# Altium PCB HIVE_BOARD_PCB ASCII REV Project_PCB_Rev.Project_SCH_Rev.PcbDoc (part 4 of 9)
Units mil, origin at the board's own origin, x right, y up, seen from the top; angles counter-clockwise.
Board outline 4330.71 x 4330.71 mil, 8 copper layers (Top, GND_1, Signal_1, GND_2, PWR, Signal_2, GND_3, Bottom), stack 62.994 mil thick; 660 components, 468 nets, 2497 pads, 1806 vias.
Unrouted connection lines stored in the file: 30.
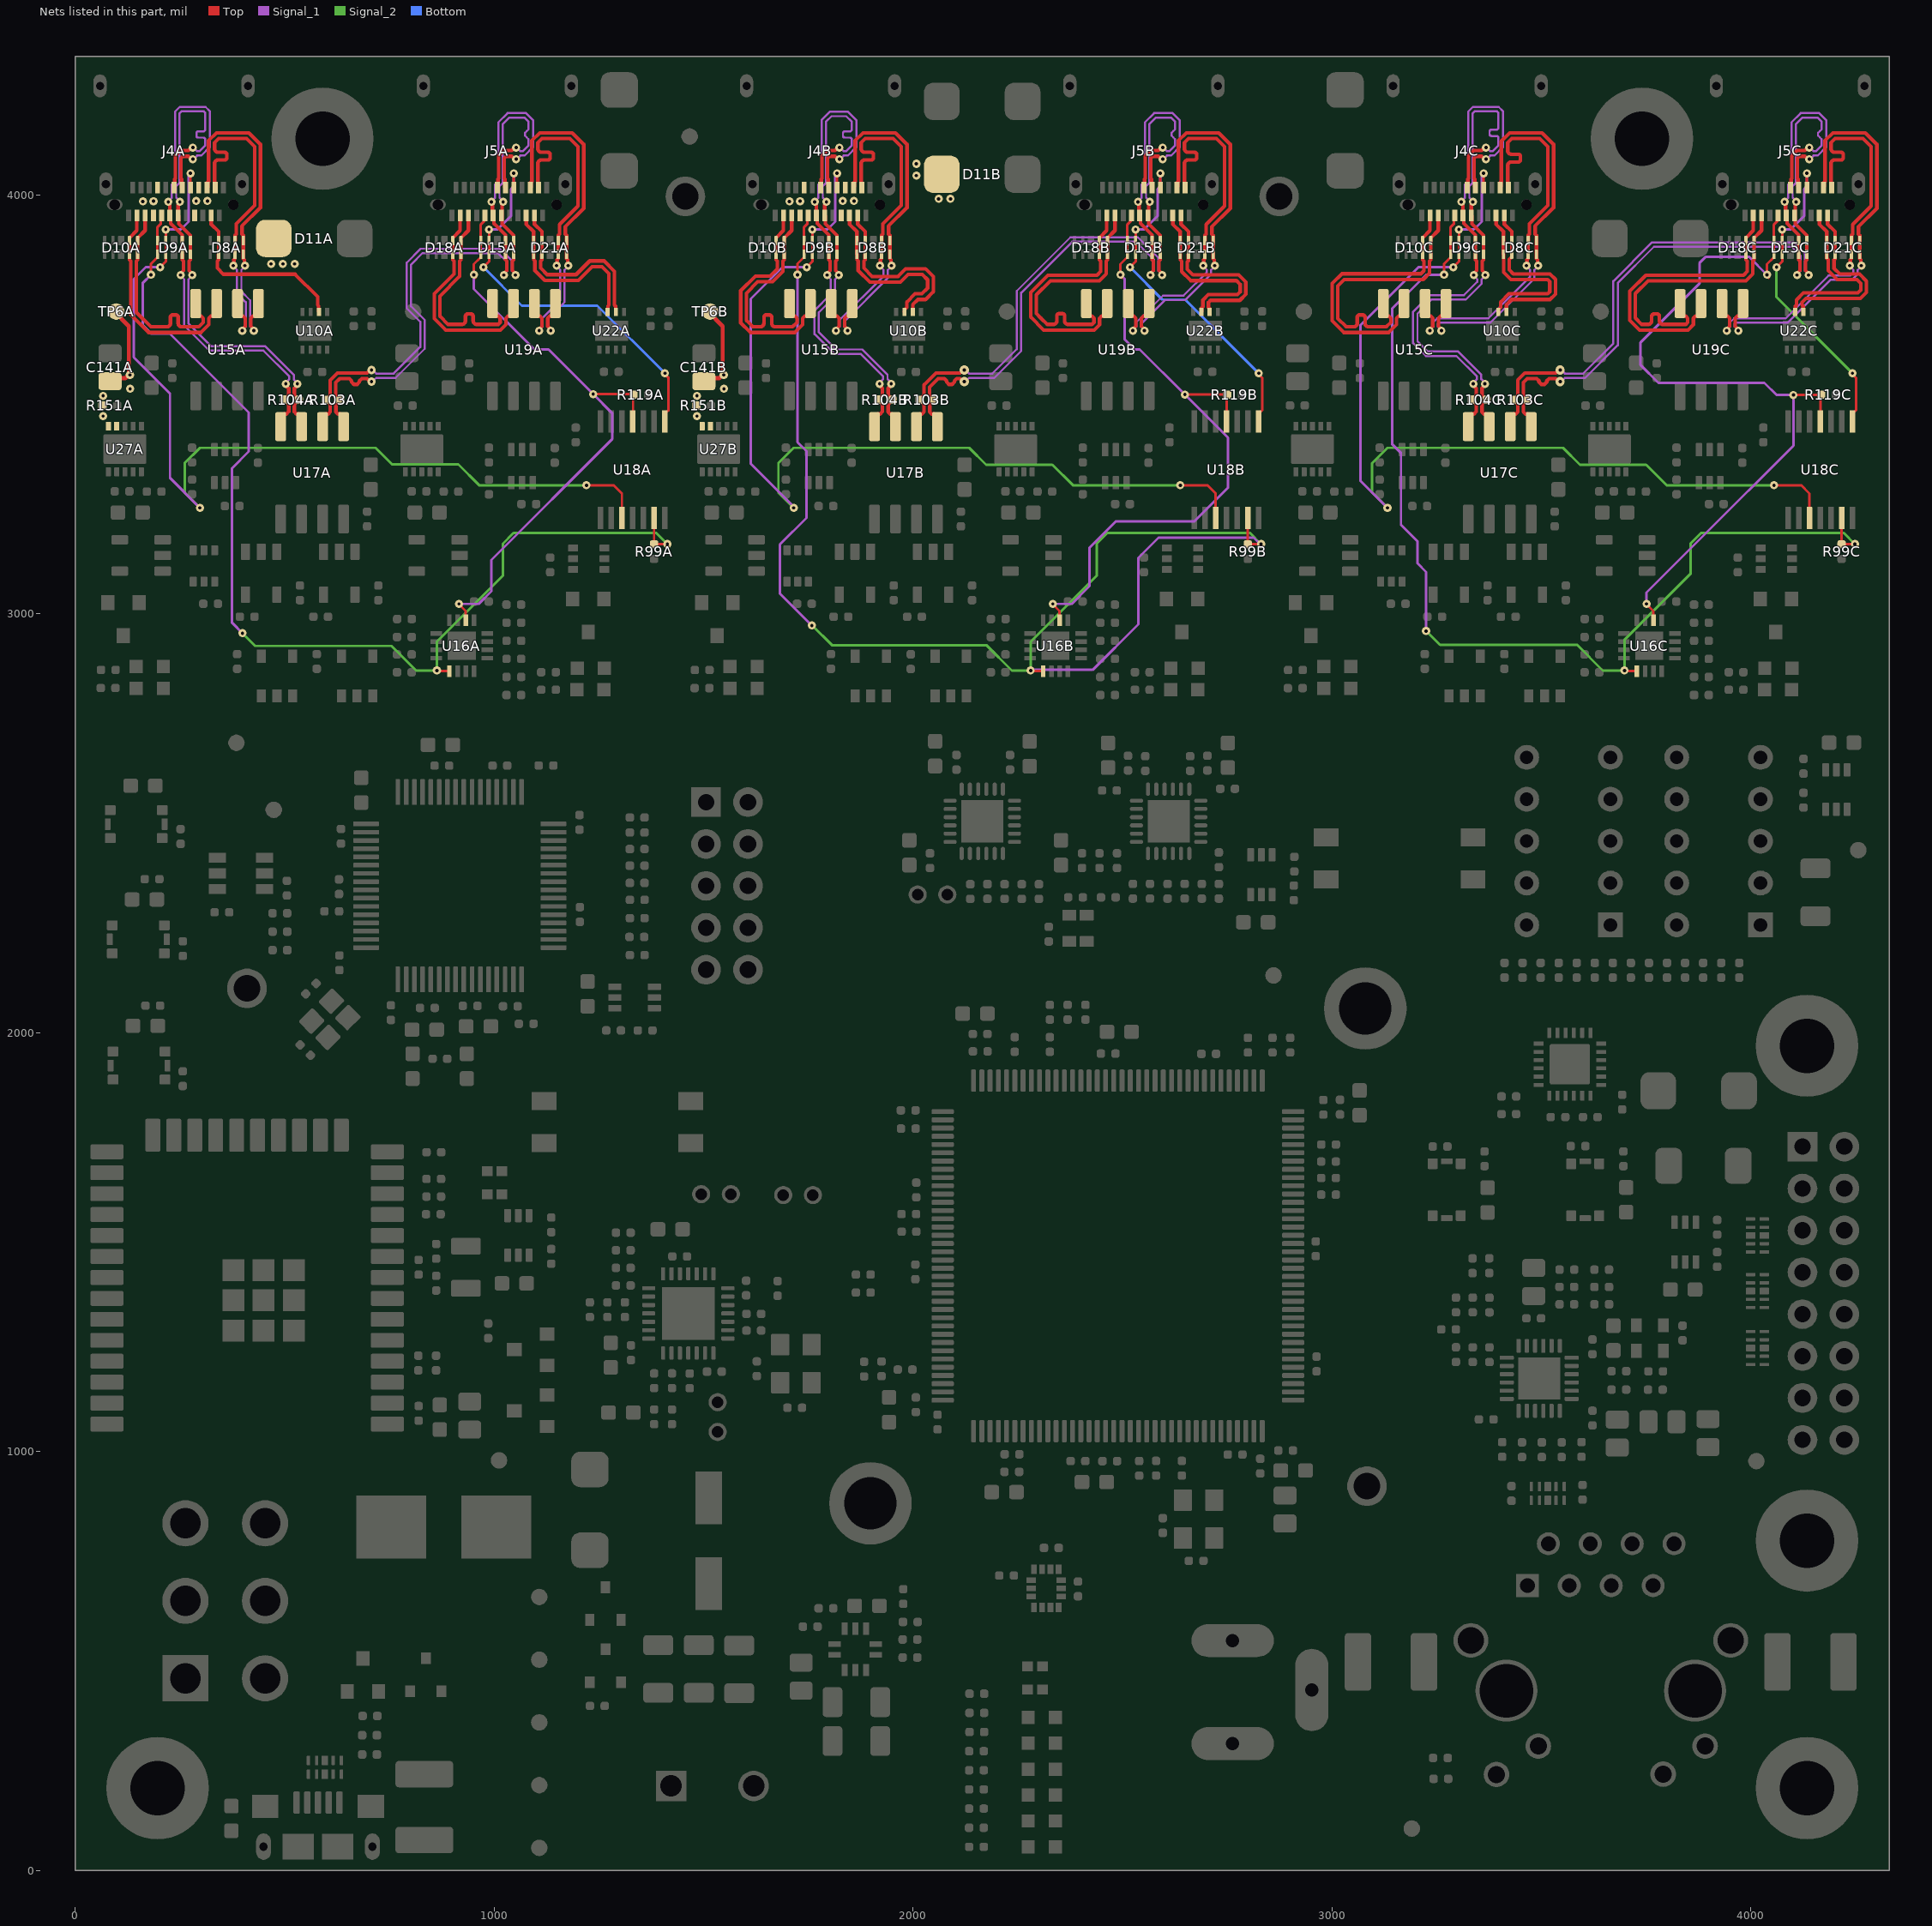
[diagram p10: the nets of this part, all layers, seen from the top]

## Via types
v1: diameter 19.68, hole 7.87, Top to Bottom, tented both sides, 1753 vias
v2: diameter 19.68, hole 7.87, Top to Bottom, 41 vias
v3: diameter 21.65, hole 7.87, Top to Bottom, tented both sides, 7 vias
v4: diameter 19.68, hole 7.87, Top to Bottom, tented bottom, 5 vias

## Nets (pads, with @x,y where several pads share a name; then routed paths per layer and width w, separated by ;. In a path a pad name is that pad's centre, name@x,y a point inside that pad or via, vN(x,y) a via of type N, cw(c..) or ccw(c..) an arc to the next point about the centre after c; other vN are vias at no path point) (continued)
BB_CLK_0A_P: D8A.4 D8A.7 J4A.A2 U10A.6 | length 439.3
  Top w8.5: J4A.A2@324.8,3950.38 324.83,3929.7 342.52,3912.02 D8A.4@342.52,3890.45 D8A.7@342.52,3857.58 342.21,3857.27 342.21,3844.55 339.43,3841.77 339.43,3824.93 354.1,3810.26 525.33,3810.26 579.05,3756.54 579.05,3736.7 581.47,3734.28 581.47,3721.17 U10A.6@582.14,3720.5
BB_CLK_0B_N: D8B.5 D8B.6 J4B.A3 U10B.7 | length 438.8
  Top w8.5: J4B.A3@1848.42,3950.4 1848.63,3950.18 1848.63,3929.9 1866.14,3912.39 D8B.5@1866.14,3890.45 1866.14,3857.59 1866.46,3857.28 1866.46,3844.57 1869.24,3841.79 1869.24,3819.35 1897.09,3791.5 1969.87,3791.5 1988.14,3809.77 2022.23,3809.77 2035,3797 2035,3777 2021.5,3763.5 2005.09,3763.5 1985.29,3743.71 1985.29,3730.94 1980.45,3726.09 1980.45,3721.17 U10B.7@1979.78,3720.5
BB_CLK_0B_P: D8B.4 D8B.7 J4B.A2 U10B.6 | length 438.6
  Top w8.5: J4B.A2@1868.14,3950.36 1868.14,3929.72 1885.83,3912.03 D8B.4@1885.83,3890.45 1885.83,3857.59 1885.52,3857.28 1885.52,3844.57 1882.74,3841.79 1882.74,3824.95 1902.68,3805 1964.28,3805 1982.55,3823.27 2030.02,3823.27 2048.5,3804.79 2048.5,3768.48 2030.02,3750 2011.68,3750 1999.46,3737.78 U10B.6@1999.46,3720.5
BB_CLK_0C_N: D8C.5 D8C.6 J4C.A3 U10C.7 | length 439.4
  Top w8.5: J4C.A3@3391.73,3950.39 3391.94,3950.17 3391.94,3929.89 3409.45,3912.38 D8C.5@3409.45,3890.45 D8C.6@3409.45,3857.58 3409.77,3857.27 3409.77,3815.23 3427.5,3797.5 3515.02,3797.5 3520,3792.52 3520,3768.48 3515.02,3763.5 3422.41,3763.5 3402.61,3743.71 3402.61,3730.94 3397.77,3726.09 3397.77,3721.17 U10C.7@3397.1,3720.5
BB_CLK_0C_P: D8C.4 D8C.7 J4C.A2 U10C.6 | length 438.7
  Top w8.5: J4C.A2@3411.42,3950.39 3411.45,3929.71 3429.14,3912.02 D8C.4@3429.13,3890.45 D8C.7@3429.13,3857.58 3429.13,3851.02 3428.51,3850.39 3428.25,3850.39 3423.27,3845.41 3423.27,3820.82 3433.09,3811 3520.61,3811 3533.5,3798.11 3533.5,3762.89 3520.61,3750 3429,3750 3416.79,3737.78 U10C.6@3416.79,3720.5
BB_CLK_1A_N: D21A.5 D21A.6 J5A.A3 U22A.7 | length 438.8
  Top w8.5: J5A.A3@1076.98,3950.17 1076.98,3929.88 1094.49,3912.37 D21A.5@1094.49,3890.45 D21A.6@1094.49,3857.58 1094.8,3857.27 1094.8,3844.55 1097.58,3841.77 1097.58,3819.34 1121.16,3795.76 1201.37,3795.76 1234.11,3828.5 1257.41,3828.5 1274.21,3811.7 1274.21,3736.7 1271.79,3734.28 1271.79,3721.17 U22A.7@1271.12,3720.5
BB_CLK_1A_P: D21A.4 D21A.7 J5A.A2 U22A.6 | length 439.1
  Top w8.5: J5A.A2@1096.45,3950.38 1096.49,3950.35 1096.49,3929.7 1114.17,3912.02 D21A.4@1114.17,3890.45 D21A.7@1114.17,3857.58 1113.86,3857.27 1113.86,3844.55 1111.08,3841.77 1111.08,3824.93 1126.75,3809.26 1195.78,3809.26 1228.52,3842 1263,3842 1287.71,3817.29 1287.71,3736.7 1290.13,3734.28 1290.13,3721.17 U22A.6@1290.8,3720.5
BB_CLK_1B_N: D21B.5 D21B.6 J5B.A3 U22B.7 | length 439.2
  Top w8.5: J5B.A3@2620.29,3950.18 2620.29,3929.9 2637.8,3912.39 D21B.5@2637.8,3890.45 2637.8,3857.59 2638.11,3857.28 2638.11,3844.57 2641.48,3841.2 2641.48,3816.43 2662.82,3795.09 2771.91,3795.09 2781,3786 2781,3768.09 2774.41,3761.5 2704.89,3761.5 2692,3748.61 2692,3732.82 2689.11,3729.93 2689.11,3721.17 U22B.7@2688.44,3720.5
BB_CLK_1B_P: D21B.4 D21B.7 J5B.A2 U22B.6 | length 438.6
  Top w8.5: J5B.A2@2639.76,3950.4 2639.8,3950.36 2639.8,3929.72 2657.48,3912.03 D21B.4@2657.48,3890.45 2657.48,3857.59 2657.17,3857.28 2657.17,3842.03 2654.98,3839.85 2654.98,3822.02 2668.41,3808.59 2777.5,3808.59 2794.5,3791.59 2794.5,3762.5 2780,3748 2710.48,3748 2705.5,3743.02 2705.5,3731.07 2707.45,3729.12 2707.45,3721.17 U22B.6@2708.12,3720.5
BB_CLK_1C_N: D21C.5 D21C.6 J5C.A3 U22C.7 | length 439.2
  Top w8.5: U22C.7@4105.76,3720.5 4106.43,3721.17 4106.43,3734.28 4108.85,3736.7 4108.85,3748.96 4125.58,3765.68 4255.59,3765.68 4262.5,3772.59 4262.5,3788.41 4253.56,3797.35 4206.56,3797.35 4185,3818.91 4185,3845 4181.1,3848.9 D21C.6@4181.1,3857.58 D21C.5@4181.1,3890.45 4181.11,3912.38 4163.6,3929.89 J5C.A3@4163.6,3950.17
BB_CLK_1C_P: D21C.4 D21C.7 J5C.A2 U22C.6 | length 438.9
  Top w8.5: U22C.6@4125.45,3720.5 4124.78,3721.17 4124.78,3734.28 4122.35,3736.7 4122.35,3743.36 4131.17,3752.18 4261.18,3752.18 4276,3767 4276,3794 4259.15,3810.85 4212.15,3810.85 4198.5,3824.5 4198.5,3844.5 4200.79,3846.79 D21C.7@4200.79,3857.58 ; J5C.A2@4183.07,3950.39 J5C.A2@4183.07,3950.39 4183.11,3929.71 4200.8,3912.02 D21C.4@4200.79,3890.45 D21C.7@4200.79,3857.58
BB_RESET_0A: D9A.5 D9A.6 J4A.A8 R99A.2 U16A.9 U18A.6 | length 2581.5
  Top w6: v1(181,3809) 181,3835.13 195.33,3849.46 195.9,3849.46 196.84,3850.39 D9A.6@196.84,3857.58 D9A.5@196.84,3890.45 196.84,3922.84 205.03,3931.03 205.03,3948.73 J4A.A8@206.68,3950.38 ; v1(863.62,2864.42) 864.61,2863.44 892.96,2863.44 893.45,2862.95 U16A.9@893.45,2862.45 ; R99A.2@1382.08,3165.75 R99A.2@1382.08,3166 ; U18A.6@1382.08,3228.34 R99A.2@1382.08,3166 ; v1(1413.68,3166) R99A.2@1382.08,3166
  Signal_1 w6: v1(181,3809) 162.03,3790.03 162.03,3688.23 181.41,3668.86 226.39,3668.86 414.72,3480.52 414.72,3387.31 374.86,3347.45 374.86,3255.66 374.86,2978.14 v1(399.53,2953.47)
  Signal_2 w6: v1(399.53,2953.47) 430,2923 755.43,2923 814.01,2864.42 v1(863.62,2864.42) 863.62,2933.27 1021.26,3090.91 1021.26,3167.19 1046.49,3192.43 1387.25,3192.43 v1(1413.68,3166)
BB_RESET_0B: D9B.5 D9B.6 J4B.A8 R99B.2 U16B.9 U18B.6 | length 3310.4
  Top w6: v1(1724.31,3809.01) 1724.31,3835.14 1738.64,3849.47 1739.21,3849.47 1740.15,3850.41 1740.15,3922.85 1748.34,3931.04 1748.34,3948.74 J4B.A8@1750,3950.4 ; v1(2280.94,2864.42) 2281.93,2863.44 2310.28,2863.44 2310.77,2862.95 U16B.9@2310.77,2862.45 ; R99B.2@2799.4,3165.75 R99B.2@2799.4,3166 ; U18B.6@2799.4,3228.34 R99B.2@2799.4,3166 ; v1(2831,3166) R99B.2@2799.4,3166
  Signal_1 w6: v1(1724.31,3809.01) 1724.31,3409.28 1745.64,3387.96 1745.64,3228.4 1682.61,3165.38 1682.61,3047.86 v1(1758.66,2971.82) ; v1(2280.94,2864.42) 2282.36,2865.84 2428.82,2865.84 2537.81,2974.83 2537.81,3133.18 2586.17,3181.54 2813.45,3181.54 2829,3166 v1(2831,3166)
  Signal_2 w6: v1(1758.66,2971.82) 1759.9,2971.82 1806.72,2925 2175.46,2925 2236.04,2864.42 v1(2280.94,2864.42) 2280.94,2933.27 2438.58,3090.91 2438.58,3167.19 2463.82,3192.43 2804.57,3192.43 v1(2831,3166)
BB_RESET_0C: D9C.5 D9C.6 J4C.A8 R99C.2 U16C.9 U18C.6 | length 2532.3
  Top w6: v1(3267.62,3809) 3267.62,3835.13 3281.95,3849.46 3282.52,3849.46 3283.46,3850.4 3283.46,3922.84 3291.65,3931.03 3291.65,3948.73 J4C.A8@3293.31,3950.39 ; v1(3698.27,2864.42) 3699.25,2863.44 3727.61,2863.44 3728.09,2862.95 U16C.9@3728.09,2862.45 ; R99C.2@4216.73,3165.75 R99C.2@4216.73,3166 ; U18C.6@4216.73,3228.34 R99C.2@4216.73,3166 ; v1(4248.32,3166) R99C.2@4216.73,3166
  Signal_1 w6: v1(3224.82,2958.67) 3224.82,3099.84 3204.62,3120.05 3204.62,3172.44 3164.86,3212.2 3164.86,3383.74 3143.59,3405.01 3143.59,3727.79 3224.8,3809 v1(3267.62,3809)
  Signal_2 w6: v1(3224.82,2958.67) 3258.16,2925.33 3585.62,2925.33 3646.53,2864.42 v1(3698.27,2864.42) 3698.27,2937.16 3855.9,3094.8 3855.9,3167.19 3881.14,3192.43 4221.9,3192.43 v1(4248.32,3166)
BB_RESET_1A: D15A.5 D15A.6 J5A.A8 R119A.2 U16A.2 U18A.11 | length 1497.8
  Top w6: v1@915.74,3023.2 932.33,3006.61 932.33,2984.98 U16A.2@932.82,2984.5 ; v1@954.66,3809 v1@954.66,3803.34 ; v1@956,3802.01 v1@954.66,3803.34 ; J5A.A8@978.34,3950.38 976.68,3948.73 976.68,3937.06 968.49,3928.87 D15A.5@968.5,3890.45 D15A.6@968.5,3857.58 968.5,3850.39 967.57,3849.46 966.99,3849.46 952,3834.46 v1(952,3809) 952,3806.01 v1@954.66,3803.34 ; v1(1236.7,3524.11) 1326.07,3524.11 1328.19,3522 1330.97,3524.78 R119A.2@1333.01,3522.73 1331.96,3521.68 1331.96,3459.71 U18A.11@1330.9,3458.65
  Signal_1 w6: v1(916.41,3023.39) 963.49,3023.39 993.76,3053.66 993.76,3128.21 1281.97,3416.42 1281.97,3478.84 v1(1236.7,3524.11) 1130.13,3630.69 1096.57,3630.69 952,3775.25 v1(952,3809)
BB_RESET_1B: D15B.5 D15B.6 J5B.A8 R119B.2 U16B.2 U18B.11 | length 1589.9
  Top w6: v1@2333.07,3023.2 2349.65,3006.61 2349.65,2984.98 U16B.2@2350.14,2984.5 ; v1@2497.97,3809.01 v1@2497.97,3803.36 ; v1@2499.31,3802.02 v1@2497.97,3803.36 ; J5B.A8@2521.65,3950.4 2519.99,3948.74 2519.99,3937.08 2511.8,3928.88 D15B.5@2511.81,3890.45 2511.81,3850.41 2510.88,3849.47 2510.3,3849.47 2495.31,3834.48 v1(2495.31,3809.01) 2495.31,3806.02 v1@2497.97,3803.36 ; v1(2649,3523) 2744.51,3523 2745.51,3522 2748.29,3524.78 R119B.2@2750.34,3522.73 2749.28,3521.68 2749.28,3459.71 U18B.11@2748.22,3458.65
  Signal_1 w6: v1(2333.73,3023.39) 2379.12,3023.39 2421.31,3065.58 2421.31,3157.53 2484.34,3220.56 2671.63,3220.56 2751.74,3300.67 2751.74,3420.26 v1(2649,3523) 2541.31,3630.69 2529,3630.69 2505.64,3654.04 2505.64,3798.66 v1@2495.31,3808.99
BB_RESET_1C: D15C.5 D15C.6 J5C.A8 R119C.2 U16C.2 U18C.11 | length 1871
  Top w6: v1@3750.39,3023.2 3766.98,3006.61 3766.98,2984.98 U16C.2@3767.46,2984.5 ; v1@4041.29,3809 v1@4041.29,3803.35 ; v1@4042.62,3802.01 v1@4041.29,3803.35 ; J5C.A8@4064.96,3950.39 4063.3,3948.73 4063.3,3937.07 4055.11,3928.88 D15C.5@4055.12,3890.45 4055.12,3850.4 4054.19,3849.46 4053.61,3849.46 4038.62,3834.47 v1(4038.62,3809) 4038.62,3806.01 v1@4041.29,3803.35 ; v1(4101.65,3522) 4162.83,3522 4165.61,3524.78 R119C.2@4167.66,3522.73 4166.6,3521.68 4166.6,3459.71 U18C.11@4165.54,3458.65
  Signal_1 w6: v1(3751.06,3023.39) 3751.06,3050.61 3884.72,3184.27 4101.65,3401.2 v1(4101.65,3522) 4061.33,3522 4032.33,3551 3779.32,3551 3736.78,3593.54 3736.78,3647.42 3877.36,3788 3877.36,3836.88 3892.63,3852.15 3995.48,3852.15 v1(4038.62,3809)
BB_SPI_CLK_0A_N: D8A.1 D8A.10 J4A.B10 U15A.5 | length 816
  Top w8.5: J4A.B10@314.95,4017.31 316.61,4018.97 316.61,4029.8 318.63,4031.82 318.63,4128.92 337.54,4147.84 415.01,4147.84 442.53,4120.31 442.53,3969.11 398.48,3925.06 398.48,3906.26 401.57,3903.17 D8A.1@401.57,3890.45 D8A.10@401.57,3857.58 401.57,3847.45 404.36,3844.66 404.36,3832.1 v1(405.56,3830.91) ; v1(426.65,3675.54) 426.65,3679.1 419.57,3686.18 419.57,3705.07 424.55,3710.05 429.28,3710.05 437.82,3718.6 U15A.5@437.82,3740.25
  Signal_1 w5: v1(405.56,3830.91) 405.56,3829.21 396.98,3820.63 396.98,3769.02 418.07,3747.93 418.07,3685.81 426.65,3677.24 v1(426.65,3675.54)
BB_SPI_CLK_0A_P: D8A.2 D8A.9 J4A.B11 U15A.6 | length 816
  Top w8.5: J4A.B11@334.64,4017.31 332.98,4018.97 332.98,4051.64 332.98,4074.39 cw(c341.48,4074.39) 341.48,4082.89 356.65,4082.89 ccw(c356.65,4088.44) 362.2,4088.44 362.2,4095.84 ccw(c356.65,4095.84) 356.65,4101.39 341.48,4101.39 cw(c341.48,4109.89) 332.98,4109.89 332.98,4124.19 343.13,4134.34 409.42,4134.34 429.03,4114.72 429.03,3974.7 384.98,3930.66 384.98,3906.26 382.2,3903.48 D8A.2@382.2,3890.77 ; v1(377.91,3830.91) 379.1,3832.1 379.1,3844.66 381.89,3847.45 D8A.9@381.89,3857.58 D8A.2@381.89,3890.45 ; U15A.6@387.82,3740.25 387.82,3718.6 396.37,3710.05 401.09,3710.05 406.07,3705.07 406.07,3686.18 399,3679.1 v1(399,3675.54)
  Signal_1 w5: v1(377.91,3830.91) 377.91,3829.21 386.48,3820.63 386.48,3764.67 407.57,3743.58 407.57,3685.81 399,3677.24 v1(399,3675.54)
BB_SPI_CLK_0B_N: D8B.1 D8B.10 J4B.B10 U15B.5 | length 850.8
  Top w8.5: v1(1843.97,3675.54) 1843.97,3679.1 1836.9,3686.18 1836.9,3705.07 1841.88,3710.05 1846.6,3710.05 1855.15,3718.6 U15B.5@1855.15,3740.25 ; J4B.B10@1858.26,4017.33 1859.92,4018.98 1859.92,4029.82 1861.94,4031.84 1861.94,4128.94 1880.85,4147.85 1958.32,4147.85 1985.84,4120.33 1985.84,3969.12 1941.79,3925.08 1941.79,3906.27 1944.88,3903.18 D8B.1@1944.88,3890.45 1944.88,3847.46 1947.67,3844.68 1947.67,3832.12 v1@1948.87,3830.92
  Signal_1 w5: v1(1843.97,3675.54) 1843.97,3677.24 1835.4,3685.81 1835.4,3696.54 1940.29,3801.44 1940.29,3820.65 1948.87,3829.23 v1(1948.87,3830.92)
BB_SPI_CLK_0B_P: D8B.2 D8B.9 J4B.B11 U15B.6 | length 850.8
  Top w8.5: U15B.6@1805.15,3740.25 1805.15,3718.6 1813.69,3710.05 1818.42,3710.05 1823.4,3705.07 1823.4,3686.18 1816.32,3679.1 v1(1816.32,3675.54) ; J4B.B11@1877.95,4017.33 1876.29,4018.98 1876.29,4051.66 1876.29,4074.41 cw(c1884.79,4074.41) 1884.79,4082.91 1899.96,4082.91 ccw(c1899.96,4088.46) 1905.51,4088.46 1905.51,4095.86 ccw(c1899.96,4095.86) 1899.96,4101.41 1884.79,4101.41 cw(c1884.79,4109.91) 1876.29,4109.91 1876.29,4124.2 1886.44,4134.35 1952.73,4134.35 1972.34,4114.74 1972.34,3974.71 1928.29,3930.67 1928.29,3906.27 1925.51,3903.49 D8B.2@1925.51,3890.78 ; v1(1921.22,3830.92) 1922.41,3832.12 1922.41,3844.68 1925.2,3847.46 D8B.2@1925.2,3890.45
  Signal_1 w5: v1(1816.32,3675.54) 1816.32,3677.24 1824.9,3685.81 1824.9,3700.89 1929.79,3805.79 1929.79,3820.65 1921.22,3829.23 v1(1921.22,3830.92)
BB_SPI_CLK_0C_N: D8C.1 D8C.10 J4C.B10 U15C.5 | length 974.5
  Top w8.5: v1(3261.3,3675.54) 3261.3,3679.1 3254.22,3686.18 3254.22,3705.07 3259.2,3710.05 3263.92,3710.05 3272.47,3718.6 U15C.5@3272.47,3740.25 ; J4C.B10@3401.57,4017.32 3403.23,4018.97 3403.23,4030.76 3404.3,4031.83 3404.3,4127.98 3424.16,4147.84 3501.63,4147.84 3529.15,4120.32 3529.15,3969.11 3485.1,3925.07 3485.1,3906.26 3488.2,3903.17 D8C.1@3488.19,3890.45 D8C.10@3488.19,3857.58 3488.2,3847.45 3490.98,3844.67 3490.98,3832.11 v1(3492.18,3830.91)
  Signal_1 w5: v1(3261.3,3675.54) 3261.3,3677.24 3252.72,3685.81 3252.72,3691.49 3255.65,3694.42 3377.81,3694.42 3483.6,3800.21 3483.6,3820.64 3492.18,3829.22 v1(3492.18,3830.91)
BB_SPI_CLK_0C_P: D8C.2 D8C.9 J4C.B11 U15C.6 | length 977.2
  Top w8.5: U15C.6@3222.47,3740.25 3222.47,3718.6 3231.01,3710.05 3235.74,3710.05 3240.72,3705.07 3240.72,3686.18 3233.64,3679.1 v1(3233.64,3675.54) ; J4C.B11@3421.26,4017.32 3419.6,4018.97 3419.6,4046.97 3419.6,4069.72 cw(c3428.1,4069.72) 3428.1,4078.22 3444.61,4078.22 ccw(c3444.61,4083.77) 3450.16,4083.77 3450.16,4091.17 ccw(c3444.61,4091.17) 3444.61,4096.72 3428.1,4096.72 cw(c3428.1,4105.22) 3419.6,4105.22 3419.6,4124.19 3429.75,4134.34 3496.04,4134.34 3515.65,4114.73 3515.65,3974.7 3471.6,3930.66 3471.6,3906.26 3468.82,3903.48 D8C.2@3468.82,3890.77 ; v1(3464.53,3830.91) 3465.72,3832.11 3465.72,3844.67 3468.51,3847.45 D8C.9@3468.5,3857.58 D8C.2@3468.5,3890.45
  Signal_1 w5: v1(3233.64,3675.54) 3233.64,3677.24 3242.22,3685.81 3242.22,3695.84 3251.3,3704.92 3373.46,3704.92 3473.1,3804.56 3473.1,3820.64 3464.53,3829.22 v1(3464.53,3830.91)
BB_SPI_CLK_1A_N: D21A.1 D21A.10 J5A.B10 U19A.5 | length 824.6
  Top w8.5: J5A.B10@1086.61,4017.31 1088.26,4018.97 1088.26,4029.8 1090.28,4031.82 1090.28,4128.92 1109.19,4147.84 1186.66,4147.84 1214.18,4120.31 1214.18,3967.53 1170.14,3923.48 1170.14,3906.26 1173.23,3903.17 D21A.1@1173.23,3890.45 D21A.10@1173.23,3857.58 1173.23,3847.45 1176.02,3844.66 1176.02,3832.1 v1(1177.21,3830.91) ; v1(1135.31,3675.54) 1135.31,3679.1 1128.24,3686.18 1128.24,3705.07 1133.21,3710.05 1137.94,3710.05 1146.49,3718.6 U19A.5@1146.49,3740.25
  Signal_1 w5: v1(1135.31,3675.54) 1135.31,3677.24 1126.74,3685.81 1126.74,3701.97 1168.64,3743.88 1168.64,3820.63 1177.21,3829.21 v1(1177.21,3830.91)
BB_SPI_CLK_1A_P: D21A.2 D21A.9 J5A.B11 U19A.6 | length 824.6
  Top w8.5: U19A.6@1096.49,3740.25 1096.49,3718.6 1105.03,3710.05 1109.76,3710.05 1114.74,3705.07 1114.74,3686.18 1107.66,3679.1 v1(1107.66,3675.54) ; J5A.B11@1106.29,4017.31 1104.64,4018.97 1104.64,4051.64 1104.64,4074.39 cw(c1113.14,4074.39) 1113.14,4082.89 1128.3,4082.89 ccw(c1128.3,4088.44) 1133.85,4088.44 1133.85,4095.84 ccw(c1128.3,4095.84) 1128.3,4101.39 1113.14,4101.39 cw(c1113.14,4109.89) 1104.64,4109.89 1104.64,4124.19 1114.78,4134.34 1181.07,4134.34 1200.68,4114.72 1200.68,3973.12 1156.64,3929.07 1156.64,3906.26 1153.86,3903.48 D21A.2@1153.86,3890.77 ; v1(1149.56,3830.91) 1150.76,3832.1 1150.76,3844.66 1153.54,3847.45 D21A.9@1153.54,3857.58 D21A.2@1153.54,3890.45
  Signal_1 w5: v1(1107.66,3675.54) 1107.66,3677.24 1116.24,3685.81 1116.24,3706.32 1158.14,3748.23 1158.14,3820.63 1149.56,3829.21 v1(1149.56,3830.91)
BB_SPI_CLK_1B_N: D21B.1 D21B.10 J5B.B10 U19B.5 | length 905.4
  Top w8.5: v1(2552.63,3675.54) 2552.63,3679.1 2545.56,3686.18 2545.56,3705.07 2550.54,3710.05 2555.26,3710.05 2563.81,3718.6 U19B.5@2563.81,3740.25 ; J5B.B10@2629.92,4017.33 2631.57,4018.98 2631.57,4029.82 2633.59,4031.84 2633.59,4128.94 2652.5,4147.85 2729.97,4147.85 2757.49,4120.33 2757.49,3967.54 2713.45,3923.49 2713.45,3906.27 2716.54,3903.18 2716.54,3847.46 2719.33,3844.68 2719.33,3832.12 v1(2720.52,3830.92)
  Signal_1 w5: v1(2552.63,3675.54) 2552.63,3677.24 2544.06,3685.81 2544.06,3691.49 2601.19,3748.62 2649.94,3748.62 2711.95,3810.62 2711.95,3820.65 2720.52,3829.23 v1(2720.52,3830.92)
BB_SPI_CLK_1B_P: D21B.2 D21B.9 J5B.B11 U19B.6 | length 905.4
  Top w8.5: U19B.6@2513.81,3740.25 2513.81,3718.6 2522.35,3710.05 2527.08,3710.05 2532.06,3705.07 2532.06,3686.18 2524.98,3679.1 v1(2524.98,3675.54) ; J5B.B11@2649.6,4017.33 2647.95,4018.98 2647.95,4051.66 2647.95,4074.41 cw(c2656.45,4074.41) 2656.45,4082.91 2671.61,4082.91 ccw(c2671.61,4088.46) 2677.16,4088.46 2677.16,4095.86 ccw(c2671.61,4095.86) 2671.61,4101.41 2656.45,4101.41 cw(c2656.45,4109.91) 2647.95,4109.91 2647.95,4124.2 2658.09,4134.35 2724.38,4134.35 2743.99,4114.74 2743.99,3973.13 2699.95,3929.09 2699.95,3906.27 2697.17,3903.49 D21B.2@2697.17,3890.78 ; v1(2692.87,3830.92) 2694.07,3832.12 2694.07,3844.68 2696.85,3847.46 D21B.2@2696.85,3890.45
  Signal_1 w5: v1(2524.98,3675.54) 2524.98,3677.24 2533.56,3685.81 2533.56,3695.84 2596.84,3759.12 2645.59,3759.12 2701.45,3814.97 2701.45,3820.65 2692.87,3829.23 v1(2692.87,3830.92)
BB_SPI_CLK_1C_N: D21C.1 D21C.10 J5C.B10 U19C.5 | length 1031.4
  Top w8.5: v1(3969.96,3675.54) 3969.96,3679.1 3962.88,3686.18 3962.88,3705.07 3967.86,3710.05 3972.59,3710.05 3981.13,3718.6 U19C.5@3981.13,3740.25 ; J5C.B10@4173.23,4017.32 4174.88,4018.97 4174.88,4029.81 4176.9,4031.83 4176.9,4128.93 4195.81,4147.84 4273.28,4147.84 4300.8,4120.32 4300.8,3967.53 4256.76,3923.48 4256.76,3906.26 4259.85,3903.17 4259.85,3847.45 4262.64,3844.67 4262.64,3832.11 v1(4263.83,3830.91)
  Signal_1 w5: v1(3969.96,3675.54) 3969.96,3677.24 3961.38,3685.81 3961.38,3691.49 3964.31,3694.42 4087.54,3694.42 4189.83,3796.71 4241.36,3796.71 4255.26,3810.61 4255.26,3820.64 4263.83,3829.22 v1(4263.83,3830.91)
BB_SPI_CLK_1C_P: D21C.2 D21C.9 J5C.B11 U19C.6 | length 1031.4
  Top w8.5: U19C.6@3931.13,3740.25 3931.13,3718.6 3939.68,3710.05 3944.4,3710.05 3949.38,3705.07 3949.38,3686.18 3942.3,3679.1 v1(3942.3,3675.54) ; J5C.B11@4192.91,4017.32 4191.26,4018.97 4191.26,4051.65 4191.26,4074.4 cw(c4199.76,4074.4) 4199.76,4082.9 4214.92,4082.9 ccw(c4214.92,4088.45) 4220.47,4088.45 4220.47,4095.85 ccw(c4214.92,4095.85) 4214.92,4101.4 4199.76,4101.4 cw(c4199.76,4109.9) 4191.26,4109.9 4191.26,4124.19 4201.4,4134.34 4267.69,4134.34 4287.3,4114.73 4287.3,3973.12 4243.26,3929.08 4243.26,3906.26 4240.48,3903.48 D21C.2@4240.48,3890.77 ; v1(4236.18,3830.91) 4237.38,3832.11 4237.38,3844.67 4240.16,3847.45 D21C.2@4240.16,3890.45
  Signal_1 w5: v1(3942.3,3675.54) 3942.3,3677.24 3950.88,3685.81 3950.88,3695.84 3959.96,3704.92 4083.19,3704.92 4185.48,3807.21 4237.01,3807.21 4244.76,3814.96 4244.76,3820.64 4236.18,3829.22 v1(4236.18,3830.91)
BB_SPI_MISO_0A_N: D9A.2 D9A.9 J4A.A7 J4A.B7 R104A.1 U17A.4 | length 1320.6